# Altium PCB PCB_v0.1.PcbDoc
Units mm, origin at the board's own origin, x right, y up, seen from the top; angles counter-clockwise.
Board outline 132 x 184 mm, 2 copper layers (Top Layer, Bottom Layer), stack 1.021 mm thick; 49 components, 29 nets, 134 pads, 293 vias.
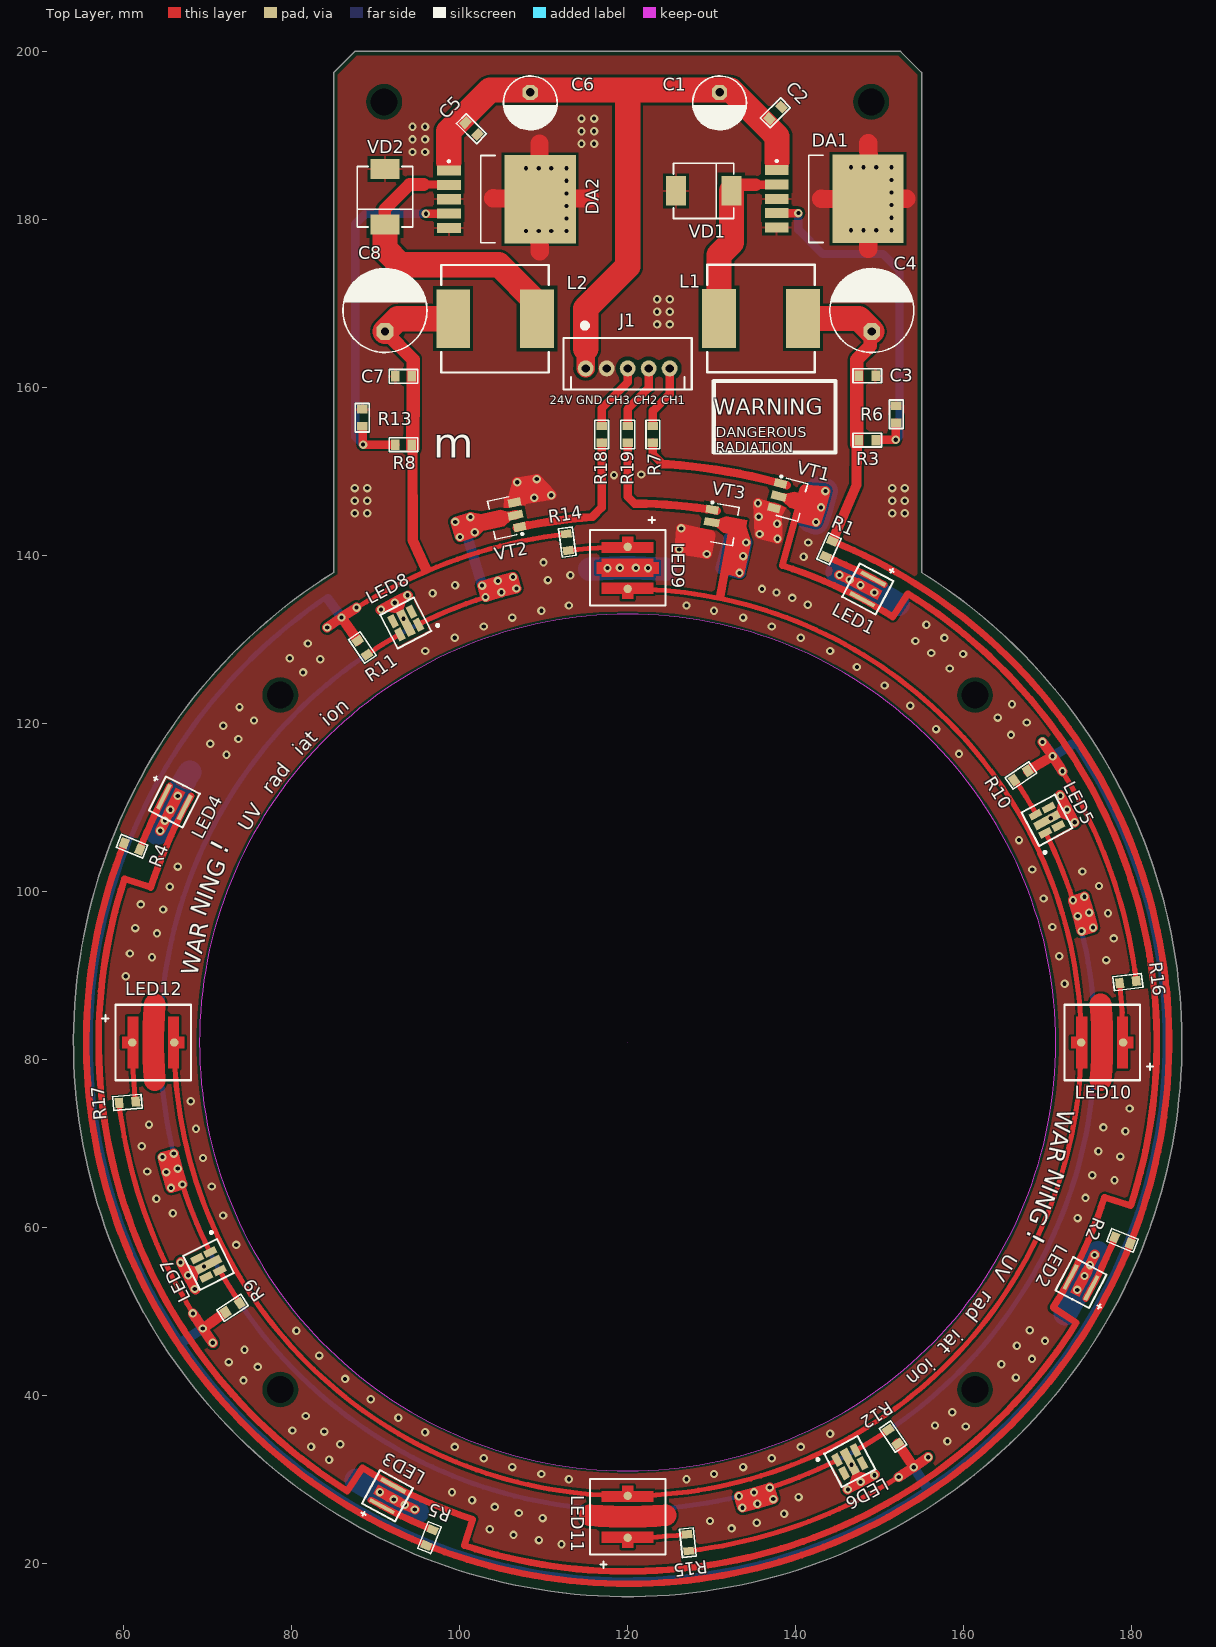
[diagram p0: Top Layer view]
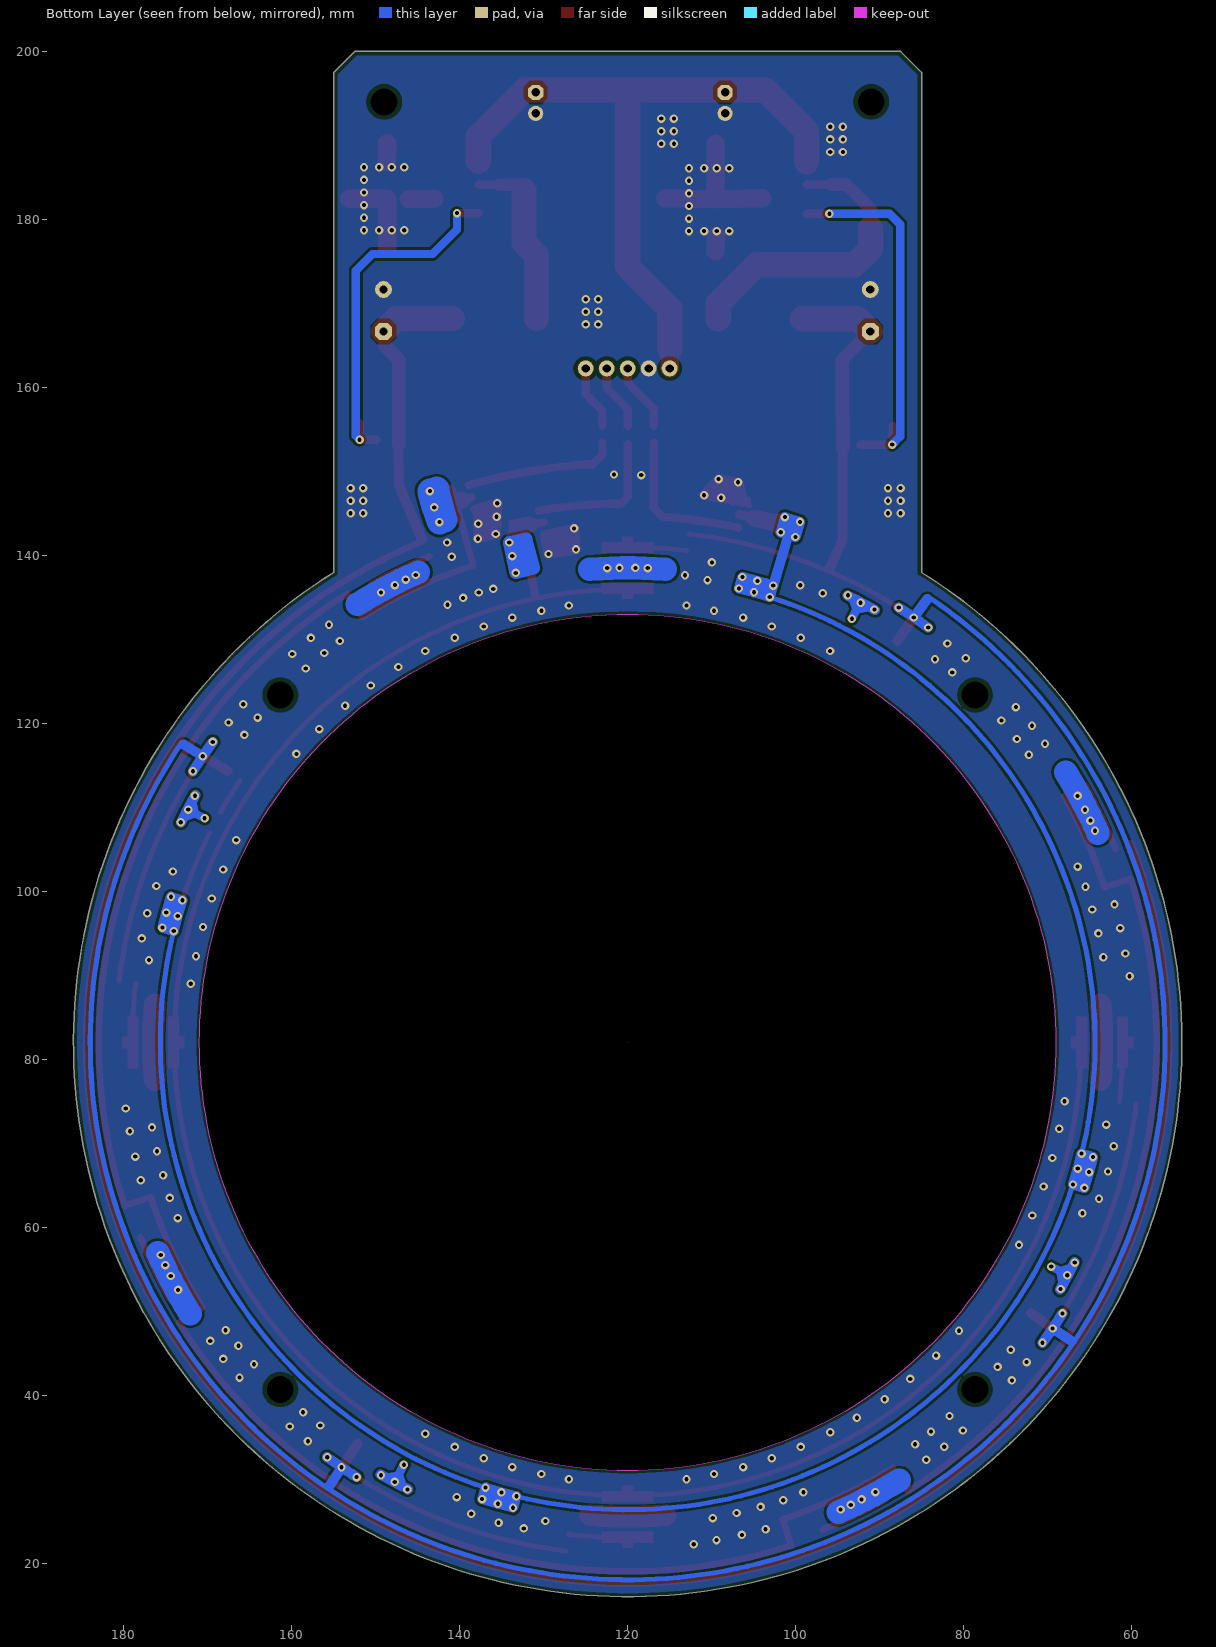
[diagram p1: Bottom Layer view, seen from below]

## Layer stack, top to bottom
Top Solder: solder mask 0.0102, Solder Resist, Dk 3.5
Top Layer: signal copper 0.0356
Dielectric 1: dielectric 0.95, FR-4, Dk 4.8
Bottom Layer: signal copper 0.0356
Bottom Solder: solder mask 0.0102, Solder Resist, Dk 3.5

## Board outline
85,197.5 87.5,200 152.5,200 155,197.5 155,137.955 cw(c120,82) 85,137.955
cut-out: 69,82 ccw(c120,82) 120,31 ccw(c120,82) 171,82 ccw(c120,82) 120,133 ccw(c120,82)
cut-out: 120,82

## Design rules (kind name [scope] priority, off if disabled: settings)
Clearance [All] p1: gap=0.35 ignorepadtopadclearanceinfootprint=FALSE except(0: Arc-Hole Track-Hole SMDPad-Hole THPad-Hole Via-Hole Fill-Hole Poly-Hole Region-Hole Text-Hole; 0.25: SMDPad-SMDPad; 0.254: SMDPad-THPad THPad-THPad; 0.3: Arc-THPad Arc-Fill Arc-Poly Arc-Region Track-THPad Track-Fill Track-Poly Track-Region Via-Fill Via-Poly Via-Region Fill-Fill Fill-Poly Fill-Region Poly-Poly Poly-Region Region-Region; 0.4: SMDPad-Fill SMDPad-Poly SMDPad-Region; 0.5: THPad-Fill THPad-Poly THPad-Region)
PolygonConnect [All] p1: thpad.connectstyle=Direct thpad.reliefconductorwidth=0.254 thpad.reliefentries=4 thpad.polygonreliefangle="90 Angle" thpad.airgapwidth=0.254 smdpad.connectstyle=Relief smdpad.reliefconductorwidth=0.3 smdpad.reliefentries=4 smdpad.polygonreliefangle="90 Angle" smdpad.airgapwidth=0.3 via.connectstyle=Direct via.reliefconductorwidth=0.254 via.reliefentries=4 via.polygonreliefangle="90 Angle" via.airgapwidth=0.254
RoutingVias [All] p1: holewidth=0.5 width=1 viastyle="Through Hole" minholewidth=0.5 minwidth=1 maxholewidth=0.5 maxwidth=1
SolderMaskExpansion [All] p1: expansion=0.102
Width [All] p1: maxlimit=3 minlimit=0.5 preferedwidth=1
30 further rules are at their usual default settings.

## Components (designator, comment, footprint, x,y, rotation, side; value= is the part's Value field where it differs from the comment)
C1 "Aluminium capacitor, 100мкФ, 16V, ±20%, 54mOhm, 14x10x5 mm, -55...+105°C" "CAP: D6.3C2.5H11" 130.95,193.875 r270 top value=100мкФ
C2 "Ceramic capacitor, 0.1мкФ, X7R, ±10%, 16V, 0805, -55...+125°C" "CAP: 0805" 137.593,192.693 r225 top value=0.1мкФ
C3 "Ceramic capacitor, 0.1мкФ, X7R, ±10%, 16V, 0805, -55...+125°C" "CAP: 0805" 148.525,161.375 r180 top value=0.1мкФ
C4 "Aluminium capacitor, 1000мкФ, 16V, ±20%, 54mOhm, 14x10x5 mm, -55...+105°C" "CAP: D10C5H20" 149.075,169.15 r90 top value=1000мкФ
C5 "Ceramic capacitor, 0.1мкФ, X7R, ±10%, 16V, 0805, -55...+125°C" "CAP: 0805" 101.393,190.807 r135 top value=0.1мкФ
C6 "Aluminium capacitor, 100мкФ, 16V, ±20%, 54mOhm, 14x10x5 mm, -55...+105°C" "CAP: D6.3C2.5H11" 108.4,193.875 r270 top value=100мкФ
C7 "Ceramic capacitor, 0.1мкФ, X7R, ±10%, 16V, 0805, -55...+125°C" "CAP: 0805" 93.3,161.3 r0 top value=0.1мкФ
C8 "Aluminium capacitor, 1000мкФ, 16V, ±20%, 54mOhm, 14x10x5 mm, -55...+105°C" "CAP: D10C5H20" 91.1,169.15 r90 top value=1000мкФ
DA1 "LM2596HVGR-ADJ" TO-263-5L 144.05,182.45 r0 top
DA2 "LM2596HVGR-ADJ" TO-263-5L 105,182.4 r0 top
J1 "B5B-XH-A" B5B-XH-A 120,162.25 r0 top locked
L1 "Fixed inductor, 33мкГн, ±20%, 0805, 100mA, -55...+125°C" SRR1208-330YL 135.875,168.2 r180 top value=33мкГн
L2 "Fixed inductor, 33мкГн, ±20%, 0805, 100mA, -55...+125°C" SRR1208-330YL 104.206,168.175 r0 top value=33мкГн
LED1 "LTPL-C034UVD365" LTPL-C034UVD365 148.595,135.996 r242 top locked
LED2 "LTPL-C034UVD365" LTPL-C034UVD365 173.992,53.398 r152 top locked
LED3 "LTPL-C034UVD365" LTPL-C034UVD365 91.409,28.002 r61.5 top locked
LED4 "LTPL-C034UVD365" LTPL-C034UVD365 66.016,110.617 r333 top locked
LED5 "TO-3535BC-UVC265-30-6V-E" TO-3535BC-UVC265-30-6V-E 169.929,108.444 r298 top locked
LED6 "TO-3535BC-UVC265-30-6V-E" TO-3535BC-UVC265-30-6V-E 146.451,32.074 r208 top
LED7 "TO-3535BC-UVC265-30-6V-E" TO-3535BC-UVC265-30-6V-E 70.074,55.549 r116.5 top locked
LED8 "TO-3535BC-UVC265-30-6V-E" TO-3535BC-UVC265-30-6V-E 93.574,131.929 r27.5 top locked
LED9 "LTPL-U06UVC280GL" LTPL-U06UVC280GL 120,138.5 r270 top
LED10 "LTPL-U06UVC280GL" LTPL-U06UVC280GL 176.5,81.982 r180 top locked
LED11 "LTPL-U06UVC280GL" LTPL-U06UVC280GL 120,25.5 r90 top locked
LED12 "LTPL-U06UVC280GL" LTPL-U06UVC280GL 63.5,81.982 r0 top locked
R1 "Resistor film, 0, ±5%, 0805, 0.125W, -55...+125°C" "RES: 0805"#1 143.972,140.774 r66 top locked value=0
R2 "Resistor film, 0, ±5%, 0805, 0.125W, -55...+125°C" "RES: 0805"#1 178.923,58.425 r338 top locked value=0
R3 "Resistor film, 3K6, ±5%, 0805, 0.125W, -55...+125°C" "RES: 0805"#1 148.525,153.725 r180 top value=3K6
R4 "Resistor film, 0, ±5%, 0805, 0.125W, -55...+125°C" "RES: 0805"#1 60.977,105.35 r158 top locked value=0
R5 "Resistor film, 0, ±5%, 0805, 0.125W, -55...+125°C" "RES: 0805"#1 96.4,23.027 r248 top locked value=0
R6 "Resistor film, 1K6, ±5%, 0805, 0.125W, -55...+125°C" "RES: 0805"#1 152,156.8 r270 top value=1K6
R7 "Resistor film, 1K, ±5%, 0805, 0.125W, -55...+125°C" "RES: 0805"#1 123,154.4 r270 top value=1K
R8 "Resistor film, 6K8, ±5%, 0805, 0.125W, -55...+125°C" "RES: 0805"#1 93.3,153.175 r0 top value=6K8
R9 "Resistor film, 91, ±5%, 0805, 0.125W, -55...+125°C" "RES: 0805"#1 72.95,50.4 r213 top locked value=91
R10 "Resistor film, 91, ±5%, 0805, 0.125W, -55...+125°C" "RES: 0805"#2 166.825,113.775 r34.5 top locked value=91
R11 "Resistor film, 91, ±5%, 0805, 0.125W, -55...+125°C" "RES: 0805"#1 88.4,129 r124 top locked value=91
R12 "Resistor film, 91, ±5%, 0805, 0.125W, -55...+125°C" "RES: 0805"#1 151.6,35.05 r304 top locked value=91
R13 "Resistor film, 1K2, ±5%, 0805, 0.125W, -55...+125°C" "RES: 0805"#1 88.4,156.375 r270 top value=1K2
R14 "Resistor film, 100, ±5%, 0805, 0.125W, -55...+125°C" "RES: 0805"#1 112.808,141.567 r277.5 top value=100
R15 "Resistor film, 100, ±5%, 0805, 0.125W, -55...+125°C" "RES: 0805"#1 127.166,22.43 r96 top locked value=100
R16 "Resistor film, 100, ±5%, 0805, 0.125W, -55...+125°C" "RES: 0805"#1 179.568,89.183 r187 top locked value=100
R17 "Resistor film, 100, ±5%, 0805, 0.125W, -55...+125°C" "RES: 0805"#1 60.428,74.852 r5 top locked value=100
R18 "Resistor film, 1K, ±5%, 0805, 0.125W, -55...+125°C" "RES: 0805"#1 116.9,154.4 r270 top value=1K
R19 "Resistor film, 1K, ±5%, 0805, 0.125W, -55...+125°C" "RES: 0805"#1 120,154.4 r270 top value=1K
VD1 "Schottky diode, 80V, 500mA, 1V, 15pF, SOD-123, -55...+150°C" "DIODE: SMC" 129.05,183.4 r0 top
VD2 "Schottky diode, 80V, 500mA, 1V, 15pF, SOD-123, -55...+150°C" "DIODE: SMC" 91.1,182.7 r270 top
VT1 "2SC4672" 2SC4672#1 139.55,146.625 r345 top
VT2 "2SC4672" 2SC4672#1 105.075,144.45 r192 top
VT3 "2SC4672" 2SC4672#2 131.575,143.65 r350 top

## Footprints (in the part's own frame and the unit in brackets; to place one, negate y for a bottom-side part, rotate by r counter-clockwise, add the part's x,y. Pads: shape width x height; smd on the part's side, far side on the other; paste and mask are expansions set on the pad)
2SC4672#1 [mm] "Transistor"
  rect 1.5x1 smd: 1(-1.8,-1.5) 3(-1.8,1.5)
  rect 1.8x1 smd: 2(-1.6,0)
  round 0.5 on Mech1: ""(-1.8,1.8)
  Top Layer region: -0.9,0.5 0,1 2.5,1 2.5,-1 0,-1 -0.9,-0.5
  silkscreen extent -2.05,-2.3 1.32,2.47, body extent -2.3,-2.25 2,2.25, height 1.51
2SC4672#2 [mm] "Transistor"
  rect 1.8x1 smd: 2(-1.6,0)
  rect 1.5x1 smd: 3(-1.8,1.5)
  round 0.5 on Mech1: ""(-1.8,1.8)
  Top Layer region: -0.9,0.5 0,1 2.5,1 2.5,-1 0,-1 -0.9,-0.5
  silkscreen extent -2.05,-2.3 1.32,2.47, body extent -2.3,-2.25 2,2.25, height 1.51
B5B-XH-A [mm] "Вилка на плату 2.50мм прямая"
  round 1.9 hole 1: 1(-5,0) 2(-2.5,0) 3(0,0) 4(2.5,0) 5(5,0)
  silkscreen extent -7.63,-2.5 7.63,5.2, body extent -6,-1 6,1
"CAP: 0805" [mm]
  rect 1x1.25 smd: 1(-1,0) 2(1,0)
  silkscreen extent -1.7,-0.82 1.7,0.82, body extent -1,-0.62 1,0.63, height 0.78
"CAP: D6.3C2.5H11" [mm]
  oct 1.8x1.8 hole 1: 1(-1.25,0)
  round 1.8 hole 1: 2(1.25,0)
  silkscreen extent -3.2,-3.2 3.2,3.2, body extent -3.4,-3.4 3.4,3.4, height 12.5
"CAP: D10C5H20" [mm]
  oct 2x2 hole 1: 1(-2.5,0)
  round 2 hole 1: 2(2.5,0)
  silkscreen extent -5,-5 5,5, body extent -5.25,-5.25 5.25,5.25, height 22
"DIODE: SMC" [mm]
  rect 2.4x3.5 smd: 1(-3.3,0) 2(3.3,0)
  silkscreen extent -3.6,-3.3 3.6,3.3, body extent -4.06,-3.15 4.06,3.15, height 2.67
LTPL-C034UVD365 [mm] "UV LED, 350mA"
  rect 0.5x3.3 smd: 1(-1.4,0) 2(1.4,0)
  Top Layer region: -0.65,-1.65 0.65,-1.65 0.65,1.65 -0.65,1.65
  silkscreen extent -3.5,-2.25 2.25,2.25
LTPL-U06UVC280GL [mm] "UV LED, 20mA"
  round 1 smd: 1(-2.5,0) 2(2.5,0)
  Top Layer region: -3.09,-3.09 -1.75,-3.09 -1.75,3.09 -3.09,3.09
  Top Layer region: 1.75,-3.09 3.09,-3.09 3.09,3.09 1.75,3.09
  Top Layer region: -2.925,-0.7 -2.925,0.7 -3.72,0.7 -3.72,-0.7
  Top Layer region: 3.72,-0.7 3.72,0.7 2.725,0.7 2.725,-0.7
  Top Layer region: -0.7,-3.72 0.7,-3.72 0.7,-3.05 -0.7,-3.05
  Top Layer region: -0.7,3.05 0.7,3.05 0.7,3.72 -0.7,3.72
  Top Layer region: -1.1,-3.09 1.1,-3.09 1.1,3.09 -1.1,3.09
  silkscreen extent -6.07,-4.5 4.5,4.5
"RES: 0805"#1 [mm]
  rect 1x1.25 smd: 1(-1,0) 2(1,0)
  silkscreen extent -1.7,-0.82 1.7,0.82, body extent -1,-0.6 1,0.6, height 0.44
"RES: 0805"#2 [mm]
  rect 1x1.25 smd: 1(-1,0)
  rect 1.25x1 smd rot 88.5: 2(1,0)
  silkscreen extent -1.7,-0.82 1.7,0.82, body extent -1,-0.6 1,0.6, height 0.44
SRR1208-330YL [mm] "Inductor"
  rect 4x7 smd: 1(-5,0) 2(5,0)
  silkscreen extent -6.4,-6.4 6.4,6.4
TO-263-5L [mm]
  rect 2.85x1.2 smd: 1(-6.3,3.42) 2(-6.3,1.71) 3(-6.3,0) 4(-6.3,-1.71) 5(-6.3,-3.42)
  rect 8.5x10.5 smd: 3(4.572,0)
  round 0.5 on Mech1: ""(-6.7,4.4)
  silkscreen extent -6.42,-5.2 -0.8,5.2, body extent -7.28,-5 8.39,5, height 4.93
TO-3535BC-UVC265-30-6V-E [mm] "UV LED, 30mA"
  rect 0.85x1.52 smd: 3(-1.235,-0.885) 4(1.235,-0.885) ""(-1.235,0.885) ""(1.235,0.885)
  rect 1x3.28 smd: ""(0,0)
  silkscreen extent -2.25,-2.25 3.35,2.25

## Part data
C1 C4 C6 C8: library part Aluminium, Manufacturer=Wurth, Package="14x10x5 mm", PartNumber=860080475013, Temperature=-55...+105°C, Tolerance=±20%, TypeCapacitor="Aluminium capacitor", Voltage=16V, HelpURL=https://www.digikey.com/product-detail/en/wurth-electronics-inc/860080475013/732-9029-1-ND/5728972, Impedance=54mOhm
  C1 C6: ValueManufacturerPartNumber="Aluminium capacitor, 100мкФ, 16V, ±20%, 54mOhm, 14x10x5 mm, -55...+105°C"
  C4 C8: ValueManufacturerPartNumber="Aluminium capacitor, 1000мкФ, 16V, ±20%, 54mOhm, 14x10x5 mm, -55...+105°C"
C2 C3 C5 C7: library part Ceramic_0805, Manufacturer=Yageo, Package=0805, PartNumber=CC0805KRX7R7BB104, Temperature=-55...+125°C, Tolerance=±10%, TypeCapacitor="Ceramic capacitor", TypeDielectric=X7R, Voltage=16V, HelpURL=https://www.digikey.com/product-detail/en/yageo/CC0805KRX7R7BB104/311-1142-1-ND/303052, ValueManufacturerPartNumber="Ceramic capacitor, 0.1мкФ, X7R, ±10%, 16V, 0805, -55...+125°C"
DA1 DA2: "Step-down DC-DC, 3A"
J1: library part CONNECTOR_5PIN, "Connector"
L1 L2: library part Inductor_0805, "https://www.chipdip.ru/product/srr1208-330yl", Manufacturer="Murata Electronics", MaxCurrent=100mA, Package=0805, PartNumber=LQM21FN100M70L, Temperature=-55...+125°C, Tolerance=±20%, TypeInductor="Fixed inductor", HelpURL=https://www.digikey.com/product-detail/en/murata-electronics-north-america/LQM21FN100M70L/490-4029-1-ND/1016289, ValueManufacturerPartNumber="Fixed inductor, 33мкГн, ±20%, 0805, 100mA, -55...+125°C"
LED1 LED2 LED3 LED4: "UF-LED, 350mA"
LED5 LED6 LED7 LED8: "UV-LED, 30mA"
LED9 LED10 LED11 LED12: "UF-LED, 20mA"
R1 R2 R3 R4 R5 R6 R7 R8 R9 R10 R11 R12 R13 R14 R15 R16 R17 R18 R19: library part Resistor_0805, Manufacturer=Yageo, Package=0805, PartNumber=RC0805JR-07100RL, Power=0.125W, Temperature=-55...+125°C, Tolerance=±5%, TypeResistor="Resistor film", HelpURL=https://www.digikey.com/product-detail/en/yageo/RC0805JR-07100RL/311-100ARCT-ND/731185
  R1 R2 R4 R5: ValueManufacturerPartNumber="Resistor film, 0, ±5%, 0805, 0.125W, -55...+125°C"
  R3: ValueManufacturerPartNumber="Resistor film, 3K6, ±5%, 0805, 0.125W, -55...+125°C"
  R6: ValueManufacturerPartNumber="Resistor film, 1K6, ±5%, 0805, 0.125W, -55...+125°C"
  R7 R18 R19: ValueManufacturerPartNumber="Resistor film, 1K, ±5%, 0805, 0.125W, -55...+125°C"
  R8: ValueManufacturerPartNumber="Resistor film, 6K8, ±5%, 0805, 0.125W, -55...+125°C"
  R9 R10 R11 R12: ValueManufacturerPartNumber="Resistor film, 91, ±5%, 0805, 0.125W, -55...+125°C"
  R13: ValueManufacturerPartNumber="Resistor film, 1K2, ±5%, 0805, 0.125W, -55...+125°C"
  R14 R15 R16 R17: ValueManufacturerPartNumber="Resistor film, 100, ±5%, 0805, 0.125W, -55...+125°C"
VD1 VD2: library part Schottky_single, "https://www.chipdip.ru/product/srr1208-330yl", Current=500mA, Manufacturer="Diodes Incorporated", Package=SOD-123, PartNumber=SS34, Temperature=-55...+150°C, Voltage=80V, VoltageDrop=1V, HelpURL=https://www.digikey.com/product-detail/en/diodes-incorporated/MBR0580S1-7/MBR0580S1-7DICT-ND/5080371, RecoveryTime=15pF, TypeDiode="Schottky diode", ValueManufacturerPartNumber="Schottky diode, 80V, 500mA, 1V, 15pF, SOD-123, -55...+150°C"

## Free pads (board coordinates)
  round 0 hole 3.2 unplated: 1(78.634,40.648) 1(78.634,123.352) 1(91,194) 1(149,194) 1(161.366,40.648) 1(161.366,123.352)

## Via types
v1: diameter 1, hole 0.5, Top Layer to Bottom Layer, tented both sides, 261 vias
v2: diameter 1, hole 0.5, Top Layer to Bottom Layer, tented bottom, 32 vias

## Nets (pads, with @x,y where several pads share a name; then routed paths per layer and width w, separated by ;. In a path a pad name is that pad's centre, name@x,y a point inside that pad or via, vN(x,y) a via of type N, cw(c..) or ccw(c..) an arc to the next point about the centre after c; other vN are vias at no path point)
24V_IN: C1.1 C2.2 C5.2 C6.1 DA1.1 DA2.1 J1.1 | length 85.3
  Top Layer w2.2: J1.1 115,164.6
  Top Layer w3: 98.7,186.825 98.7,190.5 100.2,192 103.6,195.4 108.4,195.4 120,195.4 ; 115,164.6 115,169.4 120,174.4 120,195.4 ; 137.8,186.9 137.8,189.875 136.704,190.971 132.275,195.4 120,195.4
+8.2V: C7.2 C8.1 L2.1 R8.2 R9.2 R10.2 R11.2 R12.2 R14.1 R15.1 R16.1 R17.1 | length 528.4
  Top Layer w0.6: R17.1@59.441,74.678 ccw(c120,82) 68.234,49.731 ccw(c120,82) 68.567,49.204 ccw(c120,82) v1(69.403,47.927) ccw(c120,82) v1(70.597,46.218) ; v1(87.725,133.775) 87.731,133.766 cw(c120,82) R14.1 ; R15.1@127.322,21.441 ccw(c120,82) 152.269,30.234 ccw(c120,82) 152.796,30.567 ccw(c120,82) v1(154.073,31.403) ; 169.4,115.37 169.407,115.374 ; v1(170.597,116.073) cw(c120,82) 171.433,114.796 cw(c120,82) 171.766,114.269 cw(c120,82) R16.1@180.559,89.322
  Top Layer w1: v1(68.225,49.725) v1@68.234,49.731 ; v1@171.766,114.269 v1(171.775,114.275)
  Top Layer w1.2: v1(68.225,49.725) 68.567,49.204 v1(69.403,47.927) ; 70.53,48.729 v1(69.403,47.927) ; 70.53,48.73 R9.2@71.95,49.75 ; v1(70.597,46.218) v1(69.403,47.927) ; v1(84.218,131.403) v1(85.927,132.597) ; 86.714,131.459 v1(85.927,132.597) ; 86.714,131.459 R11.2 ; v1(87.725,133.775) v1(85.927,132.597) ; R8.2@94.401,152.889 94.4,153 94.4,152.754 94.408,141.804 95.95,138.4 ; R12.2 153.296,32.548 v1(154.073,31.403) ; v1@152.269,30.234 v1(152.275,30.225) 152.796,30.567 v1(154.073,31.403) ; v1(155.782,32.597) v1(154.073,31.403) ; R10.2 169.4,115.37 ; v1(169.403,117.782) v1(170.597,116.073) ; 169.407,115.374 v1(170.597,116.073) ; v1(171.775,114.275) 171.433,114.796 v1(170.597,116.073)
  Top Layer w1.6: C8.1 94.452,163.298 C7.2@94.452,161.452 ; R8.2@94.4,152.725 94.4,152.754 94.403,153.174 94.442,159.799 94.451,161.299 C7.2@94.452,161.452 ; C7.2@94.454,161.698 94.453,161.693 C7.2@94.452,161.452
  Top Layer w3: C8.1 92.625,168.175 L2.1
  Bottom Layer w0.6: v1(68.225,49.725) 68.567,49.204 v1(69.403,47.927) v1(70.597,46.218) ; 84.154,135.019 ccw(c120,82) 66.896,46.279 ccw(c120,82) 155.783,28.938 ccw(c120,82) 173.103,117.722 ; v1(84.218,131.403) v1(85.927,132.597) 87.204,133.433 v1@87.448,133.678 ; v1(152.275,30.225) 152.796,30.567 v1(154.073,31.403) v1(155.782,32.597) ; v1(169.403,117.782) v1(170.597,116.073)
  Bottom Layer w1.2: 67.192,46.474 v1(69.403,47.927) ; v1@68.234,49.731 ccw(c120,82) 68.567,49.204 ccw(c120,82) v1(69.403,47.927) ; v1(70.597,46.218) cw(c120,82) v1(69.403,47.927) ; v1(84.218,131.403) cw(c120,82) v1(85.927,132.597) ; 84.33,134.779 v1(85.927,132.597) ; v1@87.731,133.766 ccw(c120,82) 87.503,133.623 ccw(c120,82) 87.204,133.433 ccw(c120,82) v1(85.927,132.597) ; v1@152.269,30.234 ccw(c120,82) 152.796,30.567 ccw(c120,82) v1(154.073,31.403) ; 155.5,29.2 v1(154.073,31.403) ; v1(155.782,32.597) cw(c120,82) v1@154.073,31.403 ; v1(169.403,117.782) cw(c120,82) v1(170.597,116.073) ; v1@171.766,114.269 v1(171.775,114.275) v1(170.597,116.073) ; 172.918,117.486 v1(170.597,116.073)
GND: C1.2 C2.1 C3.1 C4.2 C5.1 C6.2 C7.1 C8.2 DA1.3 DA1.5 DA2.3 DA2.5 J1.2 R6.1 R13.1 VD1.1 VD2.1 VT1.1 VT2.1 | length 71.8
  Top Layer w1: VT2.1@106.177,146.329 VT2.1@106.487,146.295 ; VT2.1@106.527,146.304 ccw(c120,82) VT2.1@106.487,146.295 ; VT2.1@106.487,146.295 ccw(c120,82) 106.171,146.228 cw(c120,82) VT2.1@106.487,146.295
  Top Layer w1.2: VT2.1@106.177,146.329 106.193,146.385 v1(106.85,148.7) v1(109.175,149.075) v1@110.944,147.172 ; VT2.1@106.467,146.393 cw(c120,82) v1@110.94,147.173 ; 129.537,142.462 v1(126.375,143.2) v1(126.15,140.7) v1(129.425,140.15) 129.867,142.385 ; v1(135.525,146.2) 137.428,145.658 137.748,145.567 v1(137.838,141.962) v1(135.712,142.537) v1(135.525,146.2)
  Top Layer w2.2: 104,182.5 DA2.3@109.572,182.4 ; DA2.3@109.475,177.975 109.55,176.225 ; 109.5,189 109.532,186.101 109.532,186.085 DA2.3@109.572,182.4 ; 115.5,182.5 112.711,182.453 112.686,182.453 DA2.3@109.572,182.4 ; 143.025,182.45 DA1.3@146.075,182.4 ; 148.625,189.075 DA1.3@148.7,186.775 ; 148.65,176.475 148.64,178.695 148.64,178.703 148.622,182.45 153.175,182.45
  other v1: 112.125,22.225 109.425,22.725 106.4,23.35 103.575,24.025 132.375,24.125 135.375,24.8 129.8,25 109.875,25.35 138.625,25.875 107.025,25.95 104.175,26.675 101.475,27.475 140.35,27.85 99.075,28.425 113,29.975 127,29.975 109.725,30.6 130.275,30.6 106.25,31.425 133.75,31.425 84.45,32.3 102.85,32.475 137.15,32.475 99.4,33.825 140.6,33.825 82.3,33.85 85.775,34.15 158.075,34.5 144.1,35.4 95.875,35.575 83.875,35.65 80.075,35.775 160.25,36.25 156.6,36.375 92.7,37.3 81.675,37.5 158.65,37.95 89.4,39.5 74.25,41.75 86.35,41.925 166.225,42.075 75.95,43.35 164.5,43.675 72.5,43.925 168.15,44.3 83.275,44.7 74.375,45.4 166.35,45.875 169.7,46.45 80.55,47.65 167.875,47.725 73.4,57.882 173.575,61.075 71.825,61.382 65.85,61.65 63.875,63.375 174.525,63.475 70.475,64.832 177.975,65.575 175.325,66.175 62.8,66.625 69.425,68.232 178.65,68.4 176.05,69.025 62.125,69.625 179.275,71.425 68.6,71.707 176.65,71.875 63,72.2 179.775,74.125 67.975,74.982 172.025,88.982 60.225,89.875 177,91.8 63.35,92.125 171.4,92.257 60.725,92.575 177.875,94.375 63.95,94.975 61.35,95.6 170.575,95.732 177.2,97.375 64.675,97.825 62.025,98.425 169.525,99.132 65.475,100.525 176.125,100.625 174.15,102.35 168.175,102.582 66.425,102.925 166.6,106.082 72.225,116.25 159.45,116.35 70.3,117.55 73.65,118.125 165.643,118.618 156.725,119.3 71.85,119.7 167.518,120.093 75.5,120.325 164.068,120.668 73.775,121.925 153.65,122.075 165.768,122.268 150.6,124.5 81.35,126.05 158.343,126.518 147.3,126.7 83.4,127.625 79.75,127.75 159.943,128.243 156.143,128.368 95.9,128.6 144.1,128.6 81.925,129.5 154.268,129.793 99.4,130.175 140.6,130.175 157.718,130.168 102.85,131.525 137.15,131.525 155.568,131.718 106.25,132.575 133.75,132.575 109.725,133.4 130.275,133.4 113,134.025 127,134.025 141.45,134.1 139.6,134.925 96.775,135.475 137.725,135.575 136,136 99.45,136.425 110.5,137.05 113.175,137.625 109.975,139.15 140.95,139.825 141.5,141.525 137.793,143.765 135.608,144.583 87.5,145 89,145 151.5,145 153,145 87.5,146.5 89,146.5 151.5,146.5 153,146.5 108.875,146.85 110.9,147.15 87.5,148 89,148 151.5,148 153,148 118.375,149.55 121.625,149.625 123.5,167.5 125,167.5 123.5,169 125,169 123.5,170.5 125,170.5 94.375,188.025 95.875,188.025 114.5,189 116,189 94.375,189.525 95.875,189.525 114.5,190.5 116,190.5 94.375,191.025 95.875,191.025 114.5,192 116,192
  other v2: 107.9,178.6 109.4,178.6 110.9,178.6 112.7,178.6 146.6,178.7 148.1,178.7 149.6,178.7 151.4,178.7 112.7,180.1 151.4,180.2 112.7,181.6 151.4,181.7 112.7,183.1 151.4,183.2 112.7,184.6 151.4,184.7 107.9,186.1 109.4,186.1 110.9,186.1 112.7,186.1 146.6,186.2 148.1,186.2 149.6,186.2 151.4,186.2
NetC3_2: C3.2 C4.1 L1.1 R1.2 R2.2 R3.2 R4.2 R5.2 | length 338.2
  Top Layer w0.8: R4.2 ccw(c120,82) R1.2
  Top Layer w1.2: R1.2@144.452,141.857 147.25,148.375 R3.2@147.275,153.225
  Top Layer w1.6: R3.2@147.275,153.225 147.276,153.725 147.284,161.375 147.284,161.575 C3.2@147.284,161.616 ; C3.2@147.285,161.701 C3.2@147.284,161.616 ; C4.1 148.906,166.481 148.906,164.931 147.284,163.309 C3.2@147.284,161.616
  Top Layer w3: L1.1 147.525,168.2 C4.1
NetDA1_2: DA1.2 L1.2 VD1.2 | length 21.2
  Top Layer w1: 135.25,184.125 137.715,184.125 DA1.2
  Top Layer w1.5: VD1.2@132.35,184.15 132.375,184.125 135.25,184.125
  Top Layer w3: L1.2 130.875,175.775 132.35,177.25 VD1.2
NetDA1_4: DA1.4 R3.1 R6.2 | length 43
  Top Layer w1: DA1.4 140.315,180.74 v1(140.325,180.75) ; R3.1@149.95,153.75 v1(151.925,153.75) 151.925,155.725 R6.2
  Bottom Layer w1: v1(140.325,180.75) 140.325,178.775 143.225,175.875 150.4,175.875 152.375,173.9 152.375,154.2 v1(151.925,153.75)
NetDA2_2: DA2.2 L2.2 VD2.2 | length 35.8
  Top Layer w1: 95.7,184.15 98.66,184.15 DA2.2
  Top Layer w1.5: VD2.2 91.05,179.45 91.05,181.175 94.025,184.15 95.7,184.15
  Top Layer w3: VD2.2@91.1,178.95 91.1,176.475 92.975,174.6 104.65,174.6 109.206,170.044 L2.2
NetDA2_4: DA2.4 R8.1 R13.2 | length 44.4
  Top Layer w1: R13.2 88.45,155.375 88.45,153.225 88.5,153.175 R8.1 ; v1(95.975,180.675) 98.685,180.675 DA2.4
  Bottom Layer w1: v1(88.497,153.18) 87.55,154.126 87.55,179.425 88.8,180.675 v1(95.975,180.675)
NetLED1_1: LED1.1 R1.1 | length 7.7
  Top Layer w0.8: R1.1@143.575,139.883 cw(c120,82) LED1.1@150.544,136.528
NetLED1_2: LED1.2 LED2.2 LED3.2 LED4.2 VT1.2 | length 350.2
  Top Layer w0.8: LED4.2@68.002,111.332 ccw(c120,82) 63.222,100.448 60.083,101.468 ccw(c120,82) 86.615,28.573 88.417,31.338 ccw(c120,82) 101.552,25.222 100.532,22.083 ccw(c120,82) 173.427,48.615 170.662,50.417 ccw(c120,82) 176.778,63.552 179.917,62.532 ccw(c120,82) 153.385,135.427 151.583,132.662 ccw(c120,82) 138.414,138.79 140.441,146.121
  Top Layer w1: VT1.2@138.602,146.905 139.572,146.619
  Top Layer w1.2: 140.441,146.121 141.075,147.85 v1(143.55,147.65) v1(143.025,145.7) v1(142.425,143.95) 140.525,144.45
  Bottom Layer w3: 141.743,144.226 142.332,143.988 v1(142.425,143.95) v1(143.025,145.7) v1(143.55,147.65) 142.736,147.88
NetLED2_1: LED2.1 R2.1 | length 8.1
  Top Layer w0.8: LED2.1@174.538,51.474 ccw(c120,82) R2.1@178.029,58.786
NetLED3_1: LED3.1 R5.1 | length 8.1
  Top Layer w0.8: LED3.1@89.436,27.483 ccw(c120,82) R5.1@96.782,23.973
NetLED4_1: LED4.1 R4.1 | length 8.4
  Top Layer w0.8: R4.1@61.88,104.985 cw(c120,82) LED4.1@65.463,112.529
NetLED5_3: LED5.3 R10.1 | length 4.5
  Top Layer w0.6: R10.1@166.188,113.185 cw(c119.95,82.2) LED5.3@168.533,109.361
NetLED5_4: LED5.4 LED6.4 LED7.4 LED8.4 VT2.2 | length 429.6
  Top Layer w0.6: v1@65.941,68.747 ccw(c120,82) v1(66.41,66.961) ccw(c120,82) 66.964,65.112 ccw(c120,82) LED7.4@70.236,57.068 ; LED8.4@95.068,131.764 cw(c120,82) v1@103.112,135.036 ; v1@105.044,135.615 v1(104.961,135.59) ; v1@106.747,136.059 ccw(c120,82) v1(104.961,135.59) ; v1@133.253,27.941 ccw(c120,82) v1(135.039,28.41) ; LED6.4@144.932,32.236 cw(c120,82) v1@136.888,28.964 ; LED5.4@169.764,106.932 cw(c120,82) v1@173.036,98.888 ; v1@174.059,95.253 ccw(c120,82) v1(173.59,97.039) ; v1@103.112,135.036 cw(c120,82) v1(104.961,135.59) ; v1@103.112,135.036 cw(c120,82) v1(104.961,135.59) ; v1(135.039,28.41) ccw(c120,82) v1@136.888,28.964 ; v1(135.039,28.41) ccw(c120,82) v1@136.888,28.964 ; v1@173.036,98.888 cw(c120,82) v1(173.59,97.039) ; v1@173.036,98.888 cw(c120,82) v1(173.59,97.039)
  Top Layer w1: v1@66.964,65.112 v1(66.975,65.075) ; v1(103.075,135.025) v1@103.112,135.036 ; v1@136.888,28.964 v1(136.925,28.975) ; v1(173.025,98.925) v1@173.036,98.888
  Top Layer w1.1: 104.325,144.3 106.629,144.83 VT2.2@106.67,144.839
  Top Layer w1.2: v1@66.964,65.112 v1(66.41,66.961) v1(65.95,68.75) 65.941,68.747 v1(64.59,68.339) v1(65.05,66.55) v1(65.615,64.664) v1(66.975,65.075) ; 102.525,144.325 v1(101.275,144.55) ; v1(103.075,135.025) v1(102.664,136.385) v1(104.55,136.95) v1(106.339,137.41) 106.747,136.059 v1(106.75,136.05) v1(104.961,135.59) v1@103.112,135.036 ; 103.425,143.925 102.958,143.925 v1(101.779,142.746) ; v1@136.888,28.964 v1(135.039,28.41) v1(133.25,27.95) 133.253,27.941 v1(133.661,26.59) v1(135.45,27.05) v1(137.336,27.615) v1(136.925,28.975) ; v1(173.025,98.925) v1(174.385,99.336) v1(174.95,97.45) v1(175.41,95.661) 174.059,95.253 v1(174.05,95.25) v1(173.59,97.039) v1@173.036,98.888 ; v1(101.275,144.55) v1(101.779,142.746) ; v1(101.275,144.55) v1(99.475,143.975) v1(100.022,142.179) v1(101.779,142.746)
  Bottom Layer w0.6: v1(104.961,135.59) ccw(c120,82) 103.112,135.036 ccw(c120,82) 65.941,68.747 ccw(c120,82) v1(66.41,66.961) ccw(c120,82) 66.964,65.112 ccw(c120,82) 133.253,27.941 ccw(c120,82) v1(135.039,28.41) ccw(c120,82) 136.888,28.964 ccw(c120,82) 174.059,95.253 ccw(c120,82) v1(173.59,97.039)
  Bottom Layer w1.2: v1@65.941,68.747 v1(64.59,68.339) v1(65.05,66.55) v1(65.615,64.664) v1(66.975,65.075) ; v1(65.95,68.75) v1(66.41,66.961) v1@66.964,65.112 ; 100.857,142.394 100.868,142.356 102.644,136.451 102.649,136.452 103.607,136.668 ; v1(103.075,135.025) v1(102.664,136.385) 103.607,136.668 ; v1@103.112,135.036 v1(104.961,135.59) ; v1(104.961,135.59) v1(106.75,136.05) ; v1@106.747,136.059 v1(106.339,137.41) v1(104.55,136.95) 103.607,136.668 ; v1(133.25,27.95) v1(135.039,28.41) v1@136.888,28.964 ; v1@133.253,27.941 v1(133.661,26.59) v1(135.45,27.05) v1(137.336,27.615) v1@136.925,28.975 ; v1(173.025,98.925) v1(174.385,99.336) v1(174.95,97.45) v1(175.41,95.661) v1@174.059,95.253 ; v1@173.036,98.888 v1(173.59,97.039) v1(174.05,95.25) ; v1(99.475,143.975) v1(101.275,144.55) v1(101.779,142.746) v1(100.022,142.179) v1(99.475,143.975)
NetLED6_3: LED6.3 R12.1 | length 4.5
  Top Layer w0.6: LED6.3@147.161,33.417 ccw(c120,82) R12.1@150.985,35.762
NetLED7_3: LED7.3 R9.1 | length 4.5
  Top Layer w0.6: LED7.3 ccw(c120,82) R9.1@73.762,51.015
NetLED8_3: LED8.3 R11.1 | length 4.5
  Top Layer w0.6: R11.1@89.015,128.238 cw(c120,82) LED8.3@92.839,130.583
NetLED9_1: LED9.1 R14.2 | length 7.1
  Top Layer w0.6: R14.2 cw(c120,82) LED9.1@119.982,141
NetLED9_2: LED9.2 LED10.2 LED11.2 LED12.2 VT3.2 | length 285.6
  Top Layer w0.6: LED12.2 ccw(c120,82) 129.093,135.229 ccw(c120,82) LED9.2
  Top Layer w1: VT3.2@130.007,143.964 132.55,143.45 131.021,135.126
  Top Layer w1.2: 131.725,138.35 v1(133.321,137.91) v1(133.75,139.9) ; 132.425,140.2 v1(133.75,139.9) ; 133.575,143.2 v1(134.1,141.525) v1(133.75,139.9)
  Bottom Layer w1.5: 131.193,138.438 v1(133.321,137.91) v1(133.75,139.9) v1(134.1,141.525) 132.113,141.973 131.193,138.438
NetLED10_1: LED10.1 R16.2 | length 7.1
  Top Layer w0.6: R16.2 cw(c120,82) LED10.1@179,82.018
NetLED11_1: LED11.1 R15.2 | length 7.1
  Top Layer w0.6: LED11.1@120.018,23 ccw(c120,82) R15.2
NetLED12_1: LED12.1 R17.2 | length 7.1
  Top Layer w0.6: LED12.1 ccw(c120,82) R17.2
NetR7_2: R7.2 VT1.3 | length 18
  Top Layer w1: R7.2 123,152 124.15,150.85 124.825,150.85 ; 124.849,150.829 cw(c120,82) VT1.3@138.92,148.355
NetR18_2: R18.2 VT2.3 | length 18.4
  Top Layer w1: VT2.3@106.803,143.295 cw(c120,82) 115.806,144.56 ; 115.753,144.613 115.838,144.613 116.9,145.675 R18.2
NetR19_2: R19.2 VT3.3 | length 17.3
  Top Layer w1: 120,146.95 R19.2@120,153.25 ; 120.025,146.95 120.814,146.161 122.225,146.161 cw(c120,82) VT3.3@130.623,145.315
PWM_IN_1: J1.5 R7.1 | length 7.7
  Top Layer w1: R7.1 123,157.2 125,159.2 J1.5
PWM_IN_2: J1.4 R19.1 | length 7.9
  Top Layer w1: R19.1 120,157.4 122.5,159.9 J1.4
PWM_IN_3: J1.3 R18.1 | length 8.1
  Top Layer w1: R18.1 116.9,157.5 120,160.6 J1.3
pads on no net: DA1. DA2. LED5. LED6. LED7. LED8. VT1. VT2. VT3.
copper on no net: | length 121.6
  Top Layer w1.2: v1@64.33,107.171 cw(c119.995,81.978) v1(66.42,111.353) ; v1@66.786,55.831 ccw(c120,82) v1@68.53,52.549 ; v1(90.497,28.445) ccw(c119.872,82.02) v1@94.679,26.355 ; v1@90.549,133.47 cw(c120,82) v1@93.831,135.214 ; v1@145.193,137.664 cw(c120,82) v1(149.375,135.575) ; v1@146.169,28.786 ccw(c120,82) v1@149.451,30.53 ; v1@171.47,111.451 cw(c120,82) v1@173.214,108.169 ; v1(173.53,52.522) ccw(c119.955,81.897) v1@175.62,56.704
  Top Layer w2.6: 63.679,77.5 cw(c120,82) 63.679,86.5 ; 115.5,25.679 ccw(c120,82) 124.5,25.679 ; 176.321,77.5 ccw(c120,82) 176.321,86.5
  Bottom Layer w1: 68.662,54.837 v2(69.55,55.3) ; 92.837,133.337 v2(93.3,132.45) ; v2(146.65,31.7) 147.191,30.678 ; v2(170.375,108.675) 171.33,109.177
  Bottom Layer w1.2: v1@66.786,55.831 ccw(c120,82) v1@68.53,52.549 ; v1@90.549,133.47 cw(c120,82) v1@93.831,135.214 ; v1@146.169,28.786 ccw(c120,82) v1@149.451,30.53 ; v1@171.47,111.451 cw(c120,82) v1@173.214,108.169
  Bottom Layer w2.8: v1@63.994,106.911 cw(c119.995,81.978) 67.836,114.183 ; 87.667,29.861 ccw(c119.872,82.02) v1@94.939,26.019 ; 115.5,138.321 cw(c120,82) 124.5,138.321 ; v1@144.933,138 cw(c120,82) 152.205,134.159 ; 172.114,49.692 ccw(c119.955,81.897) v1@175.956,56.964
  other v1: 94.647,26.37 93.447,26.92 92.147,27.57 146.225,28.75 147.735,29.662 149.375,30.45 68.45,52.625 174.405,54.172 67.662,54.265 175.055,55.472 66.75,55.775 175.605,56.672 64.345,107.203 173.232,108.207 64.895,108.403 65.545,109.703 172.32,109.717 171.532,111.357 90.625,133.55 92.265,134.338 93.775,135.25 147.725,136.45 146.425,137.1 145.225,137.65
  other v2: 117.6,138.475 122.425,138.475 119.075,138.5 120.975,138.5

## Polygon pours and split planes (outlines as drawn)
GND on Bottom Layer "Bottom Layer-GND" (solid, pour order 28): 85.5,137.75 ccw(c119.982,81.982) 154.49,137.734 154.5,137.75 154.5,197.25 152.25,199.5 87.75,199.5 85.5,197.25
GND on Top Layer "Top Layer-GND" (solid, remove dead copper, pour order 26): 85.5,137.75 ccw(c119.982,81.982) 154.49,137.734 154.5,137.75 154.5,197.25 152.25,199.5 87.75,199.5 85.5,197.25

## Other copper
Top Layer:
  region net GND: 138.867,145.643 138.025,146.1 137.8,145.1 138.45,144.825
  region net GND: 105.238,145.65 105.9,145.65 105.75,147.025 105.33,146.856
  region net GND: 108.155,144.389 108.075,144.525 108.124,144.536
  region net GND: 107.8,145.9 107.3,145.95 107.775,146.125
  region net NetLED9_2: 133.75,139.9 133.321,137.91 131.61,138.334 131.861,140.193
  region: 90.549,133.47 92.425,133.125 93.25,133.55 93.831,135.214
  region: 68.53,52.549 68.875,54.425 68.45,55.25 66.786,55.831
  region: 171.47,111.451 171.125,109.575 171.55,108.75 173.214,108.169
  region: 149.451,30.53 147.575,30.875 146.75,30.45 146.169,28.786
  region net NetLED9_2: 134.1,141.525 132.925,143.55 132.025,140.275 133.75,139.9
  region net NetLED1_2: 141.075,147.85 143.55,147.65 142.425,143.95 140.075,144.475
  region net GND: 135.525,146.2 137.423,145.642 138.178,142.118 135.875,142.741
  region net GND: 126.375,143.2 129.542,142.485 129.1,140.25 126.15,140.7
  region net GND: 106.85,148.7 109.121,148.929 110.95,147.1 109,146.8 106.487,146.295
  region net NetLED5_4: 101.4,144 99.554,143.485 99.96,142.116 101.808,142.649
  region: 101.808,142.649
  region net NetLED5_4: 106.747,136.059
  region net NetLED5_4: 106.339,137.41 102.664,136.385 103.075,135 106.747,136.059
  region net NetLED5_4: 174.059,95.253
  region net NetLED5_4: 175.41,95.661 174.385,99.336 173,98.925 174.059,95.253
  region net NetLED5_4: 133.253,27.941
  region net NetLED5_4: 133.661,26.59 137.336,27.615 136.925,29 133.253,27.941
  region net NetLED5_4: 64.59,68.339 65.615,64.664 67,65.075 65.941,68.747
  region net NetLED5_4: 65.941,68.747
Bottom Layer:
  region net NetLED1_2: 141.41,148.456 140.42,144.762 142.463,144.06 143.55,147.65
  region net NetLED9_2: 132.272,141.937 134.1,141.525 133.321,137.91 131.45,138.45
  region: 68.53,52.549 68.875,54.425 68.45,55.25 66.786,55.831
  region: 171.47,111.451 171.125,109.575 171.55,108.75 173.214,108.169
  region: 90.549,133.47 92.425,133.125 93.25,133.55 93.831,135.214
  region: 149.451,30.53 147.575,30.875 146.75,30.45 146.169,28.786
  region net NetLED5_4: 101.4,144 99.554,143.485 99.96,142.116 101.808,142.649
  region net NetLED5_4: 106.339,137.41 102.664,136.385 103.075,135 106.747,136.059
  region net NetLED5_4: 175.41,95.661 174.385,99.336 173,98.925 174.059,95.253
  region net NetLED5_4: 133.661,26.59 137.336,27.615 136.925,29 133.253,27.941
  region net NetLED5_4: 64.59,68.339 65.615,64.664 67,65.075 65.941,68.747

## Silkscreen, mask and mechanical layers (free items; w line width, h text height)
Top Overlay:
  lines w0.5: 130.25,152.25 130.25,160.75 144.75,160.75 144.75,152.25 130.25,152.25
  text "24V GND CH3 CH2 CH1" at 110.75,158 h1
  text "WARNING" at 130.25,156.75 h1.9
  text "DANGEROUS / RADIATION" at 130.5,152.25 h1.2
  text "m" at 96.825,150.4 h6.2
  text "ion" at 84.275,119.5 h1.7 r40.25
  text "iat" at 81.1,116 h1.7 r46.04
  text "rad" at 77.55,111.45 h1.7 r51.75
  text "UV" at 74.85,106.975 h1.7 r58.09
  text "!" at 72.8,103.775 h4.2 r62.45
  text "NING" at 69.725,96.825 h2 r68.05
  text "WAR" at 68.725,89.8 h2 r77.65
  text "WAR" at 171.275,74.182 h2 r257.65
  text "NING" at 170.275,67.157 h2 r248.05
  text "!" at 167.2,60.207 h4.2 r242.45
  text "UV" at 165.15,57.007 h1.7 r238.09
  text "rad" at 162.45,52.532 h1.7 r231.75
  text "iat" at 158.9,47.982 h1.7 r226.04
  text "ion" at 155.725,44.482 h1.7 r220.25
Drill Guide:
  circle w0.1: c120.018,81.982 r58.5
  circle w0.6: c120,82 r55.5
  circle w0.254: c120,82 r56.5
  circle w0.254: c120,82 r54
  circle w0.254: c120,82 r62.5
  circle w0.254: c120,82 r66
  lines w0.254: 49.285,44.538 119.982,81.982 82.538,11.285 ; 49.303,119.443 120,82 ; 54,81.982 186,81.982 186,82.018 ; 78.25,176.25 155,176.25 155,173.5 83.5,173.5 ; 82.557,152.697 120,82 ; 85,162 155,162 154.956,148 ; 87,148 87,198 153,198 153,148 ; 113,165.9 113,201.6 ; 120,18.5 125.2,18.5 ; 120,46.9 120,16 ; 120,47 120,200 ; 120,140.722 140.33,120.385 ; 127,166 127,201.4 ; 157.443,152.697 120,82 ; 157.462,11.285 120.018,81.982 190.715,44.538 ; 190.697,119.443 120,82 ; 54,16 186,148 ; 54,16 54,148 ; 54,16 120,16 ; 54,148 186,16 ; 54,148 120,148 186,148 ; 120,16 186,16 ; 186,16 186,148 ; 186,148 186,148
Board Outline (Mech5):
  lines w0.4: 155,138 155,197.5 152.5,200 87.5,200 85,197.5 85,138 ccw(c120.018,81.982) 155.01,138.016
Mechanical 15:
  circle w0.254: c91,194 r5
  circle w0.254: c149,194 r5
  circle w0.254: c78.653,123.347 r5
  circle w0.254: c78.634,40.634 r5
  circle w0.254: c161.384,40.616 r5
  circle w0.254: c161.366,123.366 r5
  circle w0.254: c120,82 r63.42
  circle w0.254: c120,82 r64.5
  circle w0.254: c120,82 r51